# Altium PCB PCB.PcbDoc
Units mil, origin at the board's own origin, x right, y up, seen from the top; angles counter-clockwise.
Board outline 2180 x 1105 mil, 2 copper layers (Top Layer, Bottom Layer); 48 components, 38 nets, 190 pads, 68 vias.
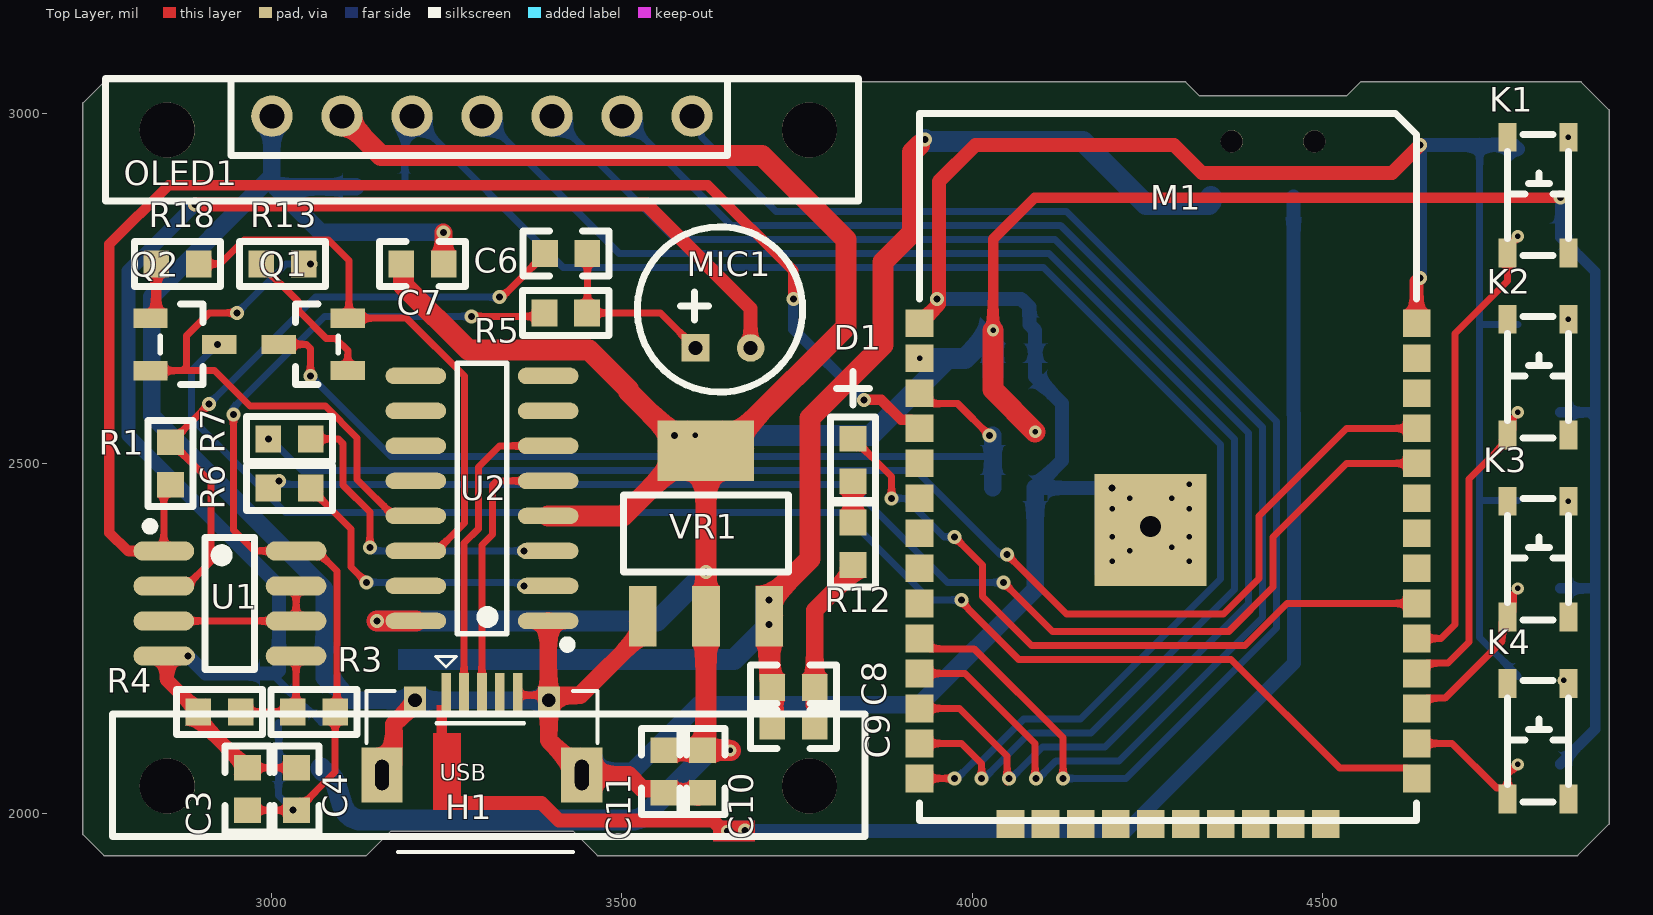
[diagram p0: Top Layer view]
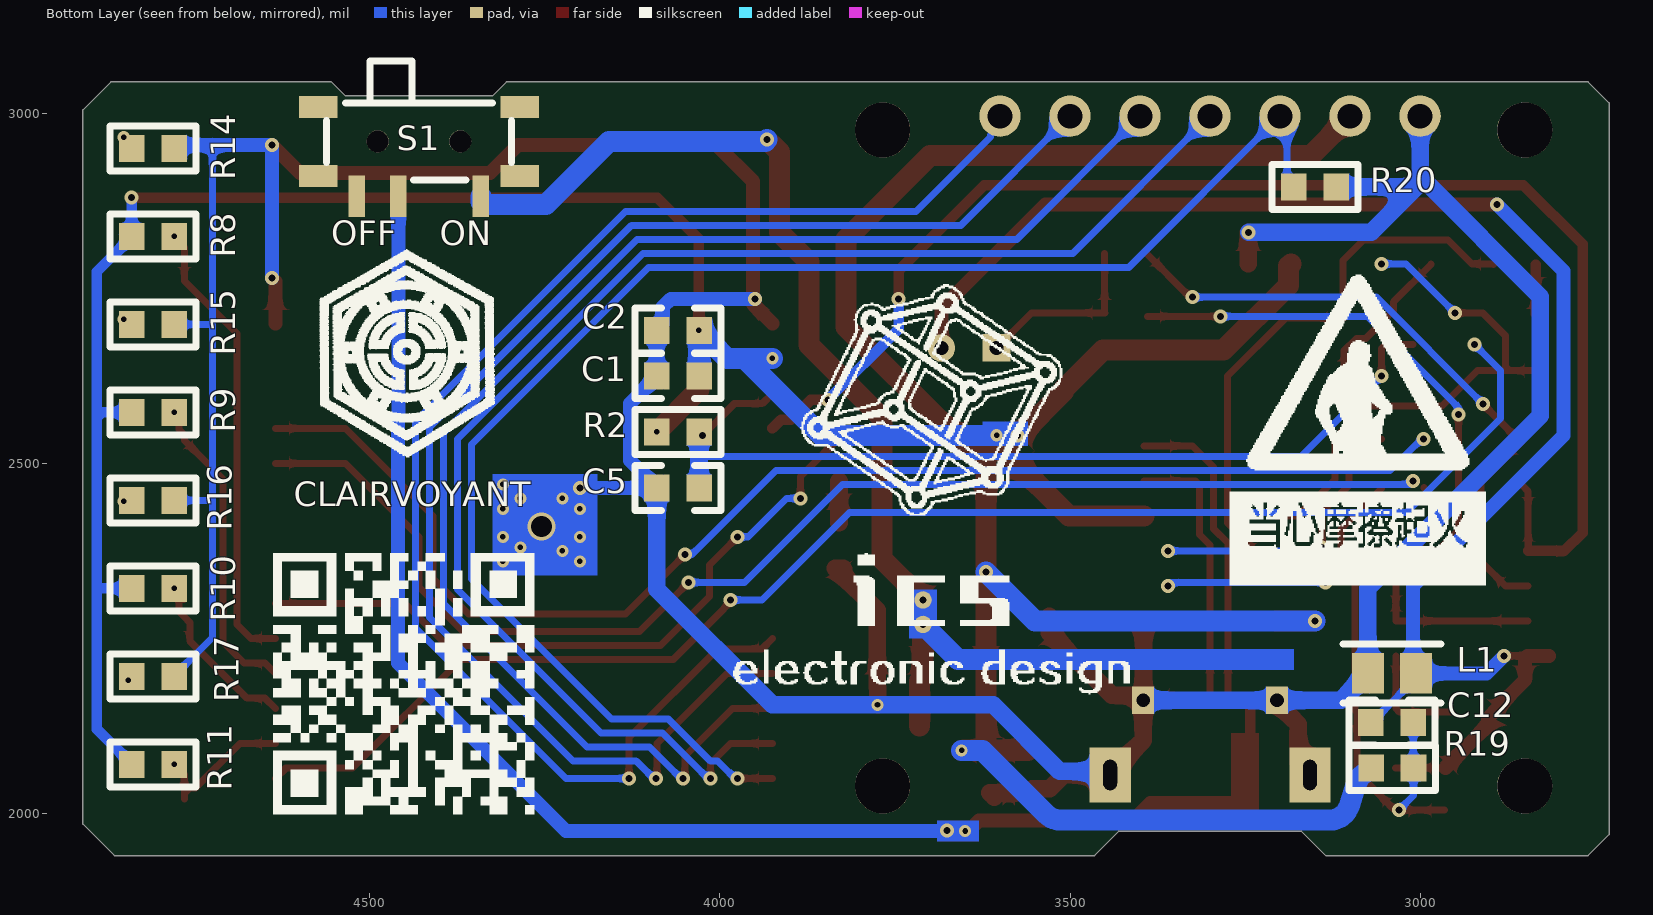
[diagram p1: Bottom Layer view, seen from below]
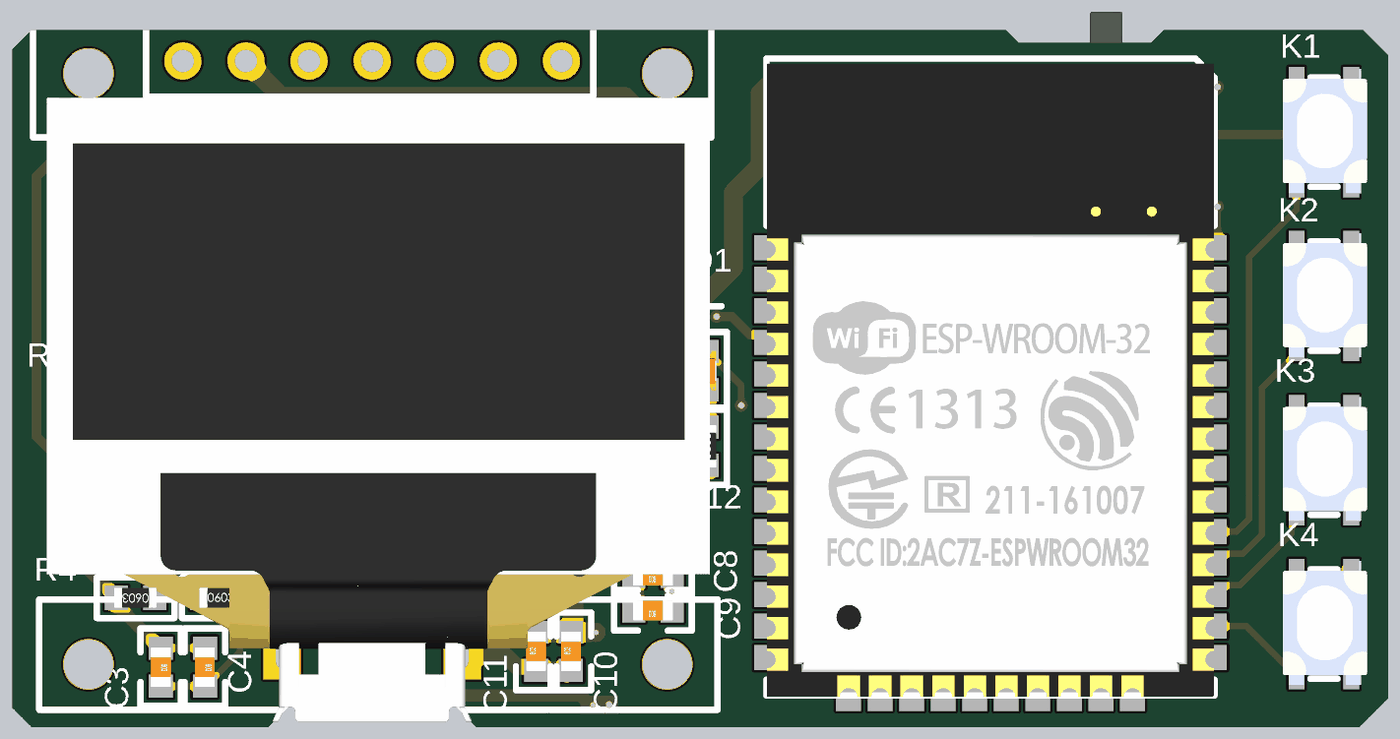
[diagram p2: 3D render of the assembled board from above, using the file's embedded part models]
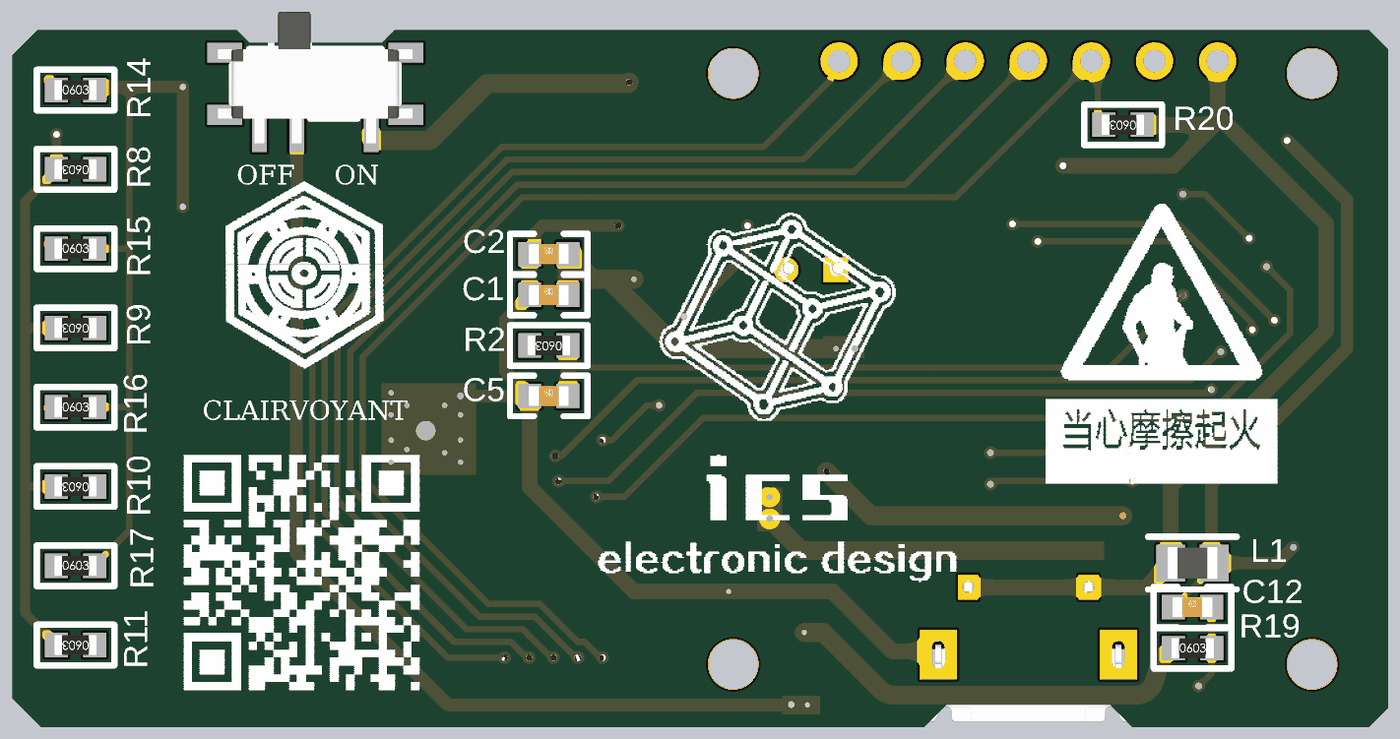
[diagram p3: 3D render of the assembled board from below, using the file's embedded part models]

## Layer stack, top to bottom
Top Solder: solder mask 0.4, Solder Resist, Dk 3.5
Top Layer: signal copper 1.4
Dielectric 1: dielectric 12.6, FR-4, Dk 4.8
Bottom Layer: signal copper 1.4
Bottom Solder: solder mask 0.4, Solder Resist, Dk 3.5

## Board outline
2760,1940 3135,1940 3170,1975 3430,1975 3465,1940 4865,1940 4910,1985 4910,3005 4870,3045 4555,3045 4535,3025 4325,3025 4305,3045 2760,3045 2730,3015 2730,1970

## Design rules (kind name [scope] priority, off if disabled: settings)
Clearance [All] p1: gap=10 ignorepadtopadclearanceinfootprint=FALSE except(0: Arc-Hole Track-Hole SMDPad-Hole THPad-Hole Via-Hole Fill-Hole Poly-Hole Region-Hole Text-Hole)
ComponentClearance [All] p1 off: gap=10 collisioncheckmode=3 verticalgap=10 showdistances=FALSE
PolygonConnect [All] p1: connectstyle=Relief reliefconductorwidth=10 reliefentries=4 polygonreliefangle="90 Angle" airgapwidth=10
RoutingVias [All] p1: holewidth=10 width=20 viastyle="Through Hole" minholewidth=10 minwidth=20 maxholewidth=28 maxwidth=50
SolderMaskExpansion [All] p1: expansion=4 istentingtop=FALSE
Width [All] p1: maxlimit=50 minlimit=5 preferedwidth=10 minimp=50.000000 maximp=50.000000 favimp=50.000000
29 further rules are at their usual default settings.

## Components (designator, comment, footprint, x,y, rotation, side; value= is the part's Value field where it differs from the comment)
C1 "1uF" LC-0603_C 4060,2625 r180 bottom locked
C2 "100nF" LC-0603_C 4060,2690 r180 bottom locked
C3 "105" LC-0603_C 2965,2035 r270 top locked
C4 "103" LC-0603_C 3035,2035 r270 top locked
C5 "1uF" LC-0603_C 4060,2465 r180 bottom locked
C6 "106" LC-0603_C 3420.32,2800 r180 top locked
C7 "100nF" LC-0603_C 3215,2785 r180 top locked
C8 "1uF" LC-0603_C 3745,2180 r180 top locked
C9 "100nF" LC-0603_C 3745,2125 r180 top locked
C10 "100nF" LC-0603_C 3615,2060 r90 top locked
C11 "1uF" LC-0603_C 3560,2060 r90 top locked
C12 "100nF" LC-0603_C 3040,2130 r180 bottom locked
D1 "绿灯 0603" LC-0603_LED 3830,2505 r90 top locked
H1 "micro_usb" USB-micro_A 3300,2055 r0 top locked
K1 "KEY" "TSW SMD-3*4*2.5" 4810,2885 r90 top locked
K2 "KEY" "TSW SMD-3*4*2.5" 4810,2625 r90 top locked
K3 "KEY" "TSW SMD-3*4*2.5" 4810,2365 r90 top locked
K4 "KEY" "TSW SMD-3*4*2.5" 4810,2105 r90 top locked
L1 "0R" LC-0805_L 3040,2200 r180 bottom locked
M1 "ESP32-S Module" ESP32-WROOM 4280,2500 r0 top locked
MIC1 "MIC" MIC-6022 3605,2665 r0 top locked
OLED1 "OLED-7PIN" 2.54mm1*7PIN 3000,3000 r0 top locked
Q1 "SS8050 Y1" sot-23-3 3065,2670 r0 top
Q2 "SS8050 Y1" sot-23-3 2870,2670 r180 top
R1 "300KΩ" LC-0603_R 2855,2500 r270 top locked
R2 "10KΩ" LC-0603_R 4060,2545 r0 bottom locked
R3 "20KΩ" LC-0603_R 3060,2145 r0 top locked
R4 "20KΩ" LC-0603_R 2925,2145 r180 top locked
R5 "4.7KΩ" LC-0603_R 3419.69,2715 r180 top locked
R6 "470Ω" LC-0603_R 3025,2465 r0 top locked
R7 "470Ω" LC-0603_R 3025,2535 r0 top locked
R8 "10KΩ" LC-0603_R 4810,2824.29 r0 bottom locked
R9 "10KΩ" LC-0603_R 4810,2572.86 r0 bottom locked
R10 "10KΩ" LC-0603_R 4810,2321.43 r0 bottom locked
R11 "10KΩ" LC-0603_R 4810,2070 r0 bottom locked
R12 "470Ω" LC-0603_R 3830,2385.31 r90 top locked
R13 "10KΩ" LC-0603_R 3015,2785 r180 top locked
R14 "470Ω" LC-0603_R 4810,2950 r180 bottom locked
R15 "470Ω" LC-0603_R 4810,2698.57 r180 bottom locked
R16 "470Ω" LC-0603_R 4810,2447.14 r180 bottom locked
R17 "470Ω" LC-0603_R 4810,2195.71 r180 bottom locked
R18 "10KΩ" LC-0603_R 2865,2785 r180 top locked
R19 "4.7Ω" LC-0603_R 3039.69,2065 r180 bottom locked
R20 "4.7KΩ (4701) ±1%" LC-0603_R 3150,2895 r0 bottom
S1 "SWHITCH" MSK-12C01-07 4430,2960 r0 bottom locked
U1 "AD8052" LC-SOP-8_150mil 2940,2300 r270 top locked
U2 "CH340C" LC-SOP-16_150mil 3300,2450 r90 top locked
VR1 "AMS1117-3.3" LC-SOT-223 3620,2400 r270 top locked

## Footprints (in the part's own frame and the unit in brackets; to place one, negate y for a bottom-side part, rotate by r counter-clockwise, add the part's x,y. Pads: shape width x height; smd on the part's side, far side on the other; paste and mask are expansions set on the pad)
2.54mm1*7PIN [mm]
  round 2 hole 2: 0(-3.8,-24.4) 0(-3.8,-0.6) 0(19.5,-24.4) 0(19.5,-0.6)
  round 1.5 hole 0.9: 1(0,-0.1) 2(2.54,-0.1) 3(5.08,-0.1) 4(7.62,-0.1) 5(10.16,-0.1) 6(12.7,-0.1) 7(15.24,-0.1)
  silkscreen extent -6.03,-26.23 21.52,1.27, body extent -5.48,-23.79 21.22,-1.58, height 3.92
ESP32-WROOM [mm]
  rect 1x1 smd: 1(-9.017,5.08) 2(-9.017,3.81) 3(-9.017,2.54) 4(-9.017,1.27) 5(-9.017,0) 6(-9.017,-1.27) 7(-9.017,-2.54) 8(-9.017,-3.81) 9(-9.017,-5.08) 10(-9.017,-6.35) 11(-9.017,-7.62) 12(-9.017,-8.89) 13(-9.017,-10.16) 14(-9.017,-11.43) 15(-5.715,-13.081) 16(-4.445,-13.081) 17(-3.175,-13.081) 18(-1.905,-13.081) 19(-0.635,-13.081) 20(0.635,-13.081) 21(1.905,-13.081) 22(3.175,-13.081) 23(4.445,-13.081) 24(5.715,-13.081) 25(9.017,-11.43) 26(9.017,-10.16) 27(9.017,-8.89) 28(9.017,-7.62) 29(9.017,-6.35) 30(9.017,-5.08) 31(9.017,-3.81) 32(9.017,-2.54) 33(9.017,-1.27) 34(9.017,0) 35(9.017,1.27) 36(9.017,2.54) 37(9.017,3.81) 38(9.017,5.08)
  rect 4.064x4.064 smd: 1(-0.635,-2.413)
  silkscreen extent -9.02,-12.95 9.02,12.7, body extent -9,-13 9,12.5, height 2.91
LC-0603_C [mm]
  rect 0.93x0.98 smd: 1(-0.77,0) 2(0.77,0)
  silkscreen extent -1.56,-0.82 1.56,0.82, body extent -0.8,-0.4 0.8,0.4, height 0.3
LC-0603_LED [mm]
  rect 0.93x0.98 smd: A(0.77,0) K(-0.77,0)
  silkscreen extent -1.56,-0.82 3.2,0.82, body extent -0.8,-0.4 0.8,0.4, height 0.6
LC-0603_R [mm]
  rect 0.93x0.98 smd: 1(-0.77,0) 2(0.77,0)
  silkscreen extent -1.56,-0.82 1.56,0.82, body extent -0.85,-0.4 0.85,0.4, height 0.56
LC-0805_L [mm]
  rect 1.16x1.47 smd: 1(-0.875,0) 2(0.875,0)
  silkscreen extent -1.78,-1.06 1.78,1.06, body extent -1,-0.64 1,0.64, height 0.6
LC-SOP-8_150mil [mm]
  oval 0.7x2.2 smd: 1(-1.905,-2.4) 2(-0.635,-2.4) 3(0.635,-2.4) 4(1.905,-2.4) 5(1.905,2.4) 6(0.635,2.4) 7(-0.635,2.4) 8(-1.905,2.4)
  silkscreen extent -2.95,-3.05 2.4,0.9, body extent -2.5,-3.1 2.5,3.1, height 1.75
LC-SOP-16_150mil [mm]
  oval 0.6x2.2 smd: 1(-4.445,-2.4) 2(-3.175,-2.4) 3(-1.905,-2.4) 4(-0.635,-2.4) 5(0.635,-2.4) 6(1.905,-2.4) 7(3.175,-2.4) 8(4.445,-2.4) 9(4.445,2.4) 10(3.175,2.4) 11(1.905,2.4) 12(0.635,2.4) 13(-0.635,2.4) 14(-1.905,2.4) 15(-3.175,2.4) 16(-4.445,2.4)
  silkscreen extent -5.45,-3.25 4.9,0.9, body extent -5,-3.13 5,3.13, height 1.5
LC-SOT-223 [mm]
  rect 2.2x1 smd: 1(3,-2.3) 2(3,0) 3(3,2.3)
  rect 2.2x3.5 smd: 2(-3,0)
  silkscreen extent -1.4,-3 1.4,3, body extent -3.49,-3.24 3.49,3.24, height 1.64
MIC-6022 [mm]
  rect 1x1 hole 0.5: 1(0,0)
  round 1 hole 0.5: 2(2,0)
  silkscreen extent -2.11,-1.6 3.89,4.4, body extent -2.11,-1.73 3.89,4.27, height 2.6
MSK-12C01-07 [mm] "6.7*2.8*1.5mm(锟斤拷锟斤拷撸锟絴SOURCECOMPLIBIDENTIFIERKIND=2"
  rect 1.4x0.8 smd: 0(-3.65,-1.25) 0(-3.65,1.25) 0(3.65,-1.25) 0(3.65,1.25)
  rect 0.6x1.5 smd: 1(-2.25,1.996) 2(0.75,1.996) 3(2.25,1.996)
  round 0.8 hole 0.8: " "(-1.5,0) " "(1.5,0)
  silkscreen extent -3.35,-2.92 3.35,1.4, body extent -3.92,-2.9 3.92,2.4, height 1.5
sot-23-3 [mm]
  rect 1.25x0.7 smd: 1(1.103,-0.949) 2(1.103,0.951) 3(-1.397,0.001)
  silkscreen extent -0.8,-1.46 0.75,1.46, body extent -1.5,-1.5 1.5,1.5, height 1
"TSW SMD-3*4*2.5" [mm]
  rect 1.05x0.65 smd: 1(-2.143,1.14) 2(2.057,1.14) 3(-2.143,-1.06) 4(2.057,-1.06)
  silkscreen extent -2.24,-1.06 2.16,1.14, body extent -2.5,-1.7 2.5,1.7, height 2.4
USB-micro_A [mm] "micro锟斤拷USB 锟斤拷5.7*7.8*2.5mm"
  rect 0.35x1.6 smd: 1(-1.3,2.9) 2(-0.65,2.9) 3(0,2.9) 4(0.65,2.9) 5(1.3,2.9)
  rect 1.5x2 hole 0.5 slot 1.1 at 90 deg: 5(-3.625,0) 5(3.625,0)
  rect 0.8x1 hole 0.5: 5(-2.425,2.71) 5(2.425,2.71)
  silkscreen extent -4.19,-2.79 4.19,4.3, body extent -4,-2.71 4,2.89, height 2.8

## Part data
C1 C3 C5 C8 C11: library part "0603 1uF (105) 10% 50V", "贴片电容", Package=0603, SuppliersPartNumber=C15849, ComponentLink1Description=供应商链接, ComponentLink1URL=http://www.szlcsc.com/product/details_16531.html, Supplier=LC
C2 C7 C9 C10 C12: library part "0603 100nF (104) 10% 50V", "贴片电容", Package=0603, SuppliersPartNumber=C14663, ComponentLink1Description=供应商链接, ComponentLink1URL=http://www.szlcsc.com/product/details_15331.html, Supplier=LC
C4: library part "0603 10nF (103) 10% 50V", "贴片电容", Package=0603, SuppliersPartNumber=C57112, ComponentLink1Description=供应商链接, ComponentLink1URL=http://www.szlcsc.com/product/details_58143.html, Supplier=LC
C6: library part "0603 10uF (106) 10% 10V", "贴片电容", Package=0603, SuppliersPartNumber=C19702, ComponentLink1Description=供应商链接, ComponentLink1URL=http://www.szlcsc.com/product/details_20411.html, Supplier=LC
D1: library part "0603 绿灯", "发光二极管", Package=0603, SuppliersPartNumber=C72043, ComponentLink1Description=供应商链接, ComponentLink1URL=http://www.szlcsc.com/product/details_73152.html, Supplier=LC
H1: library part MICRO_USB, "micro USB接口"
L1: library part INDUCTOR-SMD, "0805贴片磁珠,0R"
MIC1: "咪头 6x2.2mm"
OLED1: "OLED接口"
Q1 Q2: library part "SOT-23 SS8050 Y1", "三极管", Package=SOT-23, SuppliersPartNumber=C2150, ComponentLink1Description=供应商链接, ComponentLink1URL=http://www.szlcsc.com/product/details_2507.html, Supplier=LC
R1: library part "0603 300KΩ (3003) 1%", "贴片电阻", Package=0603, SuppliersPartNumber=C23024, ComponentLink1Description=供应商链接, ComponentLink1URL=http://www.szlcsc.com/product/details_23751.html, Supplier=LC
R2 R8 R9 R10 R11 R13 R18: library part "0603 10KΩ (1002) 1%", "贴片电阻", Package=0603, SuppliersPartNumber=C25804, ComponentLink1Description=供应商链接, ComponentLink1URL=http://www.szlcsc.com/product/details_26547.html, Supplier=LC
R3 R4: library part "0603 20KΩ (2002) 1%", "贴片电阻", Package=0603, SuppliersPartNumber=C4184, ComponentLink1Description=供应商链接, ComponentLink1URL=http://www.szlcsc.com/product/details_4591.html, Supplier=LC
R5 R20: library part "0603 4.7KΩ (4701) 1%", "贴片电阻", Package=0603, SuppliersPartNumber=C23162, ComponentLink1Description=供应商链接, ComponentLink1URL=http://www.szlcsc.com/product/details_23889.html, Supplier=LC
R6 R7 R12 R14 R15 R16 R17: library part "0603 470Ω (4700) 1%", "贴片电阻", Package=0603, SuppliersPartNumber=C23179, ComponentLink1Description=供应商链接, ComponentLink1URL=http://www.szlcsc.com/product/details_23906.html, Supplier=LC
R19: library part "0603 4.7Ω (4R70) 1%", "贴片电阻", Package=0603, SuppliersPartNumber=C23164, ComponentLink1Description=供应商链接, ComponentLink1URL=http://www.szlcsc.com/product/details_23891.html, Supplier=LC
U1: "运放"
U2: "USB转串口芯片"
VR1: library part "SOT-223 AMS1117-3.3", "低压差线性稳压(LDO)", Package=SOT-223, SuppliersPartNumber=C6186, ComponentLink1Description=供应商链接, ComponentLink1URL=http://www.szlcsc.com/product/details_6652.html, Supplier=LC

## Free pads (board coordinates)
  round 25 hole 10: 4(3710,2305) 5(3710,2270)

## Via types
v1: diameter 20, hole 10, Top Layer to Bottom Layer, tented both sides, 41 vias
v2: diameter 17.72, hole 7.87, Top Layer to Bottom Layer, tented both sides, 26 vias
v3: diameter 40, hole 30, Top Layer to Bottom Layer, 1 vias

## Nets (pads, with @x,y where several pads share a name; then routed paths per layer and width w, separated by ;. In a path a pad name is that pad's centre, name@x,y a point inside that pad or via, vN(x,y) a via of type N, cw(c..) or ccw(c..) an arc to the next point about the centre after c; other vN are vias at no path point)
3V3: C1.2 C2.2 C7.2 C10.2 C11.2 M1.2 OLED1.2 R2.2 R8.2 R9.2 R10.2 R11.2 R19.1 U2.4 U2.16 VR1.2 | length 6434.3
  Top Layer w15: v2(4030,2690) 4030,2820 4089.69,2879.69 v1(4840.31,2879.69)
  Top Layer w30: OLED1.2 3156.06,2940 3700,2940 3820,2820 3820,2695 3673.9,2548.9 3673.9,2546.42 3645.59,2518.11 VR1.2@3620,2518.11 ; v1(3150,2275) U2.16 ; C7.2 3187.99,2781.69 3187.99,2754.36 3280.54,2661.81 3453.19,2661.81 3509.65,2605.35 3509.65,2602.87 3573.76,2538.76 VR1.2@3594.41,2518.11 ; U2.4 3501.3,2425 VR1.2@3594.41,2518.11 ; C11.2 C10.2 3654.68,2090.32 v2(3655,2090) ; C10.2@3620,2106.64 3620,2281.89 v1(3620,2345) VR1.2@3620,2518.11 ; v2(4030,2690) 4030,2605.32 v2(4090.32,2545) ; VR1.2@3594.41,2518.11 VR1.2@3620,2518.11
  Bottom Layer w15: R11.2 4840.31,2070.98 4890,2120.67 4890,2320 ; R10.2 4888.57,2321.43 4890,2320 ; R9.2 4882.14,2572.86 4890,2565 ; v1(4840.31,2879.69) R8.2 4840.31,2823.3 4890,2773.62 4890,2565 ; 4890,2320 4890,2565
  Bottom Layer w30: R19.1 3070,2064.02 R19.1@3073.31,2060.71 ; R19.1@3073.35,2060.69 cw(c3062.59,2032.69) 3091.21,2041.68 3100.78,2011.5 ccw(c3129.36,2020.63) 3111.91,1996.22 3113.22,1995.29 ccw(c3127.76,2015.63) 3127.76,1990.63 3513.2,1990.63 ccw(c3513.2,2020.63) 3534.42,1999.42 3625,2090 v2(3655,2090) ; v1(3150,2275) 3550,2275 v1(3620,2345) ; v1(3575,2540) v2(3605,2540) 3855,2540 3965,2650 ; v2(3925,2650) 3965,2650 ; C1.2 C2.2 3989.68,2650 3965,2650
5V: C8.2 C9.2 pad.4 pad.5 S1.1 VR1.3 | length 1873
  Top Layer w30: C9.2 C8.2 3714.68,2189.45 3710.55,2193.58 3710.55,2270 VR1.3 3710.55,2305.51 3768.43,2363.39 3768.43,2565 3797.18,2593.75 3872.5,2669.07 3872.5,2787.5 3915,2830 3915,2945 3925,2955
  Bottom Layer w30: 3235,2220 3660,2220 3705,2265 pad.5 ; v1(3932.5,2962.5) 3935,2960 4158.42,2960 4233.74,2884.68 4248.38,2870.04 4338.23,2870.04 4341.42,2873.23 S1.1
ADC_IN1: M1.4 R1.2 U1.1 | length 1983.8
  Top Layer w10: U1.1 2845.51,2460.2 R1.2
  Top Layer w15: U1.1 2793.79,2375 2767.9,2400.88 2767.9,2812.9 2852.5,2897.5 3622.5,2897.5 3745,2775 v1(3745,2735) ; v1(3845.88,2590.88) 3870,2590.88 3898.7,2562.19 3912.81,2562.19 M1.4
  Bottom Layer w15: v1(3745,2735) 3745,2691.76 v1(3845.88,2590.88)
BOOT/GPIO0: M1.25 Q2.3 | length 2088.4
  Top Layer w10: v1(2922.28,2669.95) Q2.3 ; v1(3985,2305) 3985,2302.29 3995,2292.29 3995,2291.72 4066.72,2220 4370,2220 4524.69,2065.31 4614.46,2065.31 4615.09,2064.69 4620.31,2064.69 M1.25
  Bottom Layer w10: v1(2922.28,2669.95) 2885.18,2632.84 2885.18,2564.47 3019.64,2430 3815,2430 3940,2305 v1(3985,2305)
DTR: Q2.2 R13.1 U2.13 | length 806.4
  Top Layer w10: Q2.2 Q2.2@2837.42,2632.55 ; v1(2950,2715) 2910.44,2715 2878.32,2682.88 2878.32,2638.41 2872.46,2632.55 Q2.2@2837.42,2632.55 ; U2.13 3174.02,2425 3121.81,2477.2 3121.81,2536.47 3076.35,2581.94 2968.42,2581.94 2917.81,2632.55 2878.32,2632.55 Q2.2@2837.42,2632.55
  Bottom Layer w10: v1(2950,2715) 3020,2785 v1(3055,2785)
EN/RST: C5.2 M1.3 Q1.3 R2.1 | length 1310.9
  Top Layer w10: Q1.3 3049.14,2670.05 3055,2664.19 v1(3055,2625) ; M1.3 3939.69,2585.31 3979.69,2585.31 v1(4025,2540)
  Bottom Layer w10: v1(3055,2625) 3170,2510 4024.68,2510 4029.68,2505
  Bottom Layer w25: C5.2 4029.68,2505 R2.1@4029.68,2540
GND: C1.1 C2.1 C5.1 C7.1 C8.1 C9.1 C10.1 C11.1 H1.5 L1.1 M1.1 M1.38 OLED1.1 R12.1 R14.2 R15.2 R16.2 R17.2 R20.1 U2.1 VR1.1 | length 6521
  Top Layer w10: H1.5@3351.18,2169.17 3387.99,2169.17 H1.5@3395.47,2161.69 ; R12.1 R12.1@3835,2350
  Top Layer w20: M1.1@3925,2700 v1@3952.5,2727.5 ; v1(3950,2735) 3950,2730 v1@3952.5,2727.5 ; M1.38 4635,2760 v1(4640,2765) ; v1(4640.05,2955) 4600.05,2915 4328.75,2915 4288.75,2955 4005,2955 3952.5,2902.5 v1@3952.5,2727.5
  Top Layer w25: H1.5@3157.28,2055 3174.31,2072.03 3174.31,2127.54 3204.53,2157.76 H1.5@3204.53,2161.69 ; v1(3245,2830) 3245.32,2829.68 C7.1 ; U2.1 3394.98,2274.51 3394.98,2166.12 H1.5@3395.47,2165.63 ; VR1.1 3529.45,2258.27 3440.06,2168.88 3398.72,2168.88 H1.5@3395.47,2165.63 ; C10.1@3608.21,2022.89 3608.21,2023.88 3611.52,2027.18 3612.5,2027.18 C10.1 C11.1 3554.19,2035.49 3529.25,2035.49 3509.74,2055 3442.72,2055 3442.72,2064.84 3425.69,2081.87 3418.11,2081.87 3395.47,2104.51 3395.47,2161.69 H1.5@3395.47,2165.63 ; v2(3775,2155) 3775,2179.68 C8.1 3775.32,2290.32 3823.21,2338.21 3823.21,2349.19 3824.02,2350 R12.1@3835,2350
  Bottom Layer w10: 4725,2955 4725,2700 ; R14.2@4765.39,2935.71 4766.38,2935.71 4779.68,2949.02 R14.2 ; R17.2 4779.68,2196.7 4725,2251.38 4725,2450 ; R16.2 4727.86,2447.14 4725,2450 ; R15.2 4726.43,2698.57 4725,2700 ; 4725,2450 4725,2700
  Bottom Layer w20: v1(3950,2735) 4070.29,2735 4082.01,2723.28 4082.01,2698.31 C2.1 C1.1 4090.32,2624.02 4128.62,2585.71 4128.62,2504.29 4090.32,2465.98 C5.1 v1(4200,2465) ; v1(4640,2765) v1(4640,2765) v1(4640.05,2955) 4725,2955 4773.7,2955 R14.2@4779.68,2949.02
  Bottom Layer w25: OLED1.1 3000,2910 2995,2905 ; R20.1 3005,2895 ; H1.5@3157.28,2045.16 H1.5@3157.28,2055 ; v1(3245,2830) 3070,2830 3005,2895 ; H1.5@3395.47,2161.69 3204.53,2161.69 3112.76,2161.69 3090.89,2183.56 3084.78,2183.56 3074.45,2193.9 L1.1 3074.45,2321.66 2828.09,2568.02 2828.09,2738.09 2995,2905 ; H1.5@3442.72,2055 3447.72,2060 3515,2060 3610,2155 v2(3775,2155) 3925,2155 4090.32,2320.32 C5.1 ; 2995,2905 3005,2895
  other v2: 4200,2360 4310,2360 4225,2375 4285,2380 4200,2395 4310,2395 4200,2435 4310,2435 4225,2450 4285,2450 4310,2470
  other v3: 4255,2410
GNDA: C3.1 C4.1 C12.1 L1.2 MIC1.2 R4.2 U1.4 | length 2289
  Top Layer w10: U1.4@2846.51,2225 v1(2880,2225) ; C3.1@2964.02,2065.32 C3.1 C4.1
  Top Layer w20: U1.4@2815.98,2225 U1.4 2846.51,2225 2850,2221.51 2850,2190.67 2894.68,2145.98 R4.2 2902.99,2136.69 2902.99,2126.34 C3.1@2964.02,2065.32 ; v1(2890,2870) 3535,2870 3683.74,2721.26 MIC1.2
  Bottom Layer w10: L1.2 3005.55,2193.9 3055.16,2144.29 3057.01,2144.29 3070.32,2130.98 C12.1
  Bottom Layer w20: v1(2880,2225) 2905,2200 L1.2 3010,2204.45 3010,2325 2795,2540 2795,2775 v1(2890,2870)
KEY1: K1.1 M1.29 R8.1 | length 654.7
  Top Layer w10: M1.29 4670,2250 4690,2270 4690,2685.52 4765.13,2760.65 K1.1 4765.13,2808.49 4779.68,2823.04 v2(4779.68,2824.29)
KEY2: K2.1 M1.28 R9.1 | length 450.4
  Top Layer w10: M1.28 4649.69,2214.69 4679.69,2214.69 4710,2245 4710,2477.61 4765.13,2532.74 K2.1 4772.93,2548.42 4772.93,2564.01 4779.68,2570.77 v2(4779.68,2572.86)
KEY3: K3.1 M1.27 R10.1 | length 246.4
  Top Layer w10: M1.27 4649.69,2164.69 4675.4,2164.69 4757.34,2246.63 4757.34,2272.83 K3.1 4772.93,2288.42 4772.93,2312.58 4779.68,2319.34 v2(4779.68,2321.43)
KEY4: K4.1 M1.26 R11.1 | length 215.2
  Top Layer w10: M1.26 4685.75,2100 4749.46,2036.29 4757.34,2036.29 K4.1@4765.13,2028.5 ; K4.1 K4.1@4765.13,2028.5 ; v2(4779.68,2070) 4765.13,2055.44 K4.1@4765.13,2028.5
LED1: D1.A M1.30 | length 996.9
  Top Layer w10: D1.A 3830.98,2535.32 3885,2481.3 v1(3885,2450) ; v1(3975,2395) 4015,2355 4015,2310 4085,2240 4390,2240 4450,2300 M1.30
  Bottom Layer w10: v1(3885,2450) 3905,2450 3959.82,2395.18 3974.82,2395.18 v1(3975,2395)
NetC6_1: C6.1 MIC1.1 R5.1 | length 261
  Top Layer w10: C6.1 3450.63,2715.63 R5.1 3555,2715 3590.31,2679.69 MIC1.1
NetD1_K: D1.K R12.2 | length 59.1
  Top Layer w25: R12.2 D1.K
NetH1_1: H1.1 S1.2 | length 2028.5
  Top Layer w20: 3240,2015 3385,2015 3410,1990 3630,1990 3645,1975 3660,1975 ; v2(3650,1975) 3675,1975 v1(3675.62,1975.62)
  Bottom Layer w20: 3660,1975 4220,1975 4460,2215 4460,2570.36 4459.53,2570.83 S1.2
NetH1_2: H1.2 U2.6 | length 446.3
  Top Layer w10: H1.2 3274.41,2386.13 3295,2406.72 3295,2495 3325,2525 U2.6
NetH1_3: H1.3 U2.5 | length 388.1
  Top Layer w10: H1.3 3300,2383.43 3315,2398.43 3315,2469.14 3320.86,2475 U2.5
NetK1_4: K1.4 R14.1
  other v2: 4851.74,2965.98
NetK2_4: K2.4 R15.1
  other v2: 4851.74,2705.98
NetK3_4: K3.4 R16.1
  other v2: 4851.74,2445.98
NetK4_4: K4.4 R17.1
  other v2: 4845,2190
NetQ1_1: Q1.1 R13.2 | length 211.5
  Top Layer w10: R13.2 2984.68,2784.02 3037.79,2730.91 3037.79,2718.47 3077.59,2678.67 3091.01,2678.67 3108.41,2661.28 Q1.1
NetQ2_1: Q2.1 R18.2 | length 82.1
  Top Layer w10: R18.2@2834.68,2784.02 R18.2
  Top Layer w15: Q2.1 2828.4,2707.35 2834.68,2713.63 R18.2@2834.68,2784.02
NetR3_1: R3.1 R4.1 U1.5 | length 156.4
  Top Layer w10: R4.1 R3.1 3034.49,2149.8 U1.5
NetR6_2: R6.2 U2.2 | length 395.1
  Top Layer w10: R6.2 3055.32,2464.02 3112.8,2406.54 3112.8,2352.2 v1(3135,2330)
  Bottom Layer w10: v1(3135,2330) 3355,2330 v1(3360,2325)
NetR7_2: R7.2 U2.3 | length 435.4
  Top Layer w10: R7.2 3095,2535 3101.81,2528.19 3101.81,2468.92 3140,2430.73 v1(3140,2380)
  Bottom Layer w10: v1(3140,2380) 3142.71,2380 3147.71,2375 v1(3360,2375)
NetU1_3: U1.3 U1.6 U1.7 | length 239
  Top Layer w10: U1.3 U1.6 U1.7
OLED_CLK: M1.14 OLED1.3 R20.2 | length 2189.3
  Top Layer w10: M1.14 v1(3975,2050)
  Bottom Layer w10: R20.2@3190,2900.16 3190,2972.79 3200,2982.79 OLED1.3 3416.06,2780 4101.86,2780 4355,2526.86 4355,2335 4155,2135 4073.86,2135 4013.86,2075 4003.39,2075 3983.39,2055 3982.71,2055 3977.71,2050 v1(3975,2050)
OLED_CS: M1.10 OLED1.7 | length 2036.1
  Top Layer w10: M1.10 3939.69,2235.31 4002.97,2235.31 4130,2108.28 v1(4130,2050)
  Bottom Layer w10: OLED1.7 3600,2982.79 3613.45,2969.33 3613.45,2966.55 3720,2860 4135,2860 4435,2560 4435,2265 4220,2050 v1(4130,2050)
OLED_DC: M1.11 OLED1.6 | length 2046.2
  Top Layer w10: M1.11 3990,2200 4090,2100 v1@4090,2050
  Bottom Layer w10: OLED1.6 3656.06,2840 4126.72,2840 4415,2551.72 4415,2280 4210,2075 4119.64,2075 4099.64,2055 4098.96,2055 4093.96,2050 v1(4091.25,2050)
OLED_DIN: M1.13 OLED1.4 | length 2076.1
  Top Layer w10: M1.13 3985,2100 4013.75,2071.25 v1(4013.75,2050)
  Bottom Layer w10: OLED1.4 3496.06,2800 4110.15,2800 4375,2535.15 4375,2320 4170,2115 4082.14,2115 4022.14,2055 4021.46,2055 4016.46,2050 v1(4013.75,2050)
OLED_RES: M1.12 OLED1.5 | length 2062.1
  Top Layer w10: M1.12 3981.92,2150 4050,2081.92 v1@4050,2045
  Bottom Layer w10: OLED1.5 3576.06,2820 4118.43,2820 4395,2543.43 4395,2300 4190,2095 4100.89,2095 4060.89,2055 4060.21,2055 4055.21,2050 v1(4052.5,2050)
RTS: Q1.2 R18.1 U2.14 | length 821.9
  Top Layer w10: R18.1@2895.31,2784.02 R18.1 2925.87,2785 2960.16,2819.29 3080.63,2819.29 3109.92,2790 3109.92,2708.97 Q1.2 3192.47,2707.45 3275,2624.92 3275,2415 3235,2375 U2.14
RXD0: M1.34 R6.1 | length 1856.5
  Top Layer w10: R6.1 R6.1@2994.69,2465.98 ; v1(4044.64,2330) 4045,2330 4115,2260 4366.72,2260 4430,2323.28 4430,2395 4535,2500 M1.34
  Bottom Layer w10: v1(3010,2475) 3015,2470 3825,2470 3965,2330 v1(4044.64,2330)
SIGNAL: C6.2 R1.1 U1.2 | length 923.6
  Top Layer w10: U1.2 2877.99,2325 2912.99,2360 2912.99,2473.31 R1.1@2855.98,2530.31 ; R1.1 R1.1@2855.98,2530.31 ; v1(2910.18,2585) 2910.18,2584.51 R1.1@2855.98,2530.31 ; v1(3325.2,2737.5) 3327.9,2737.5 3330.7,2740.29 3331.28,2740.29 3390,2799.02 C6.2
  Bottom Layer w10: v1(2910.18,2585) 2910.18,2585.18 3062.5,2737.5 v1(3325.2,2737.5)
TXD0: M1.35 R7.1 | length 1905.7
  Top Layer w10: v1(4050,2370) 4135,2285 4359.42,2285 4410,2335.58 4410,2425 4535,2550 M1.35
  Bottom Layer w10: v1(2995,2535) 2997.71,2535 3042.71,2490 3920,2490 4040,2370 v1(4050,2370)
VDDA: C3.2 C4.2 C12.2 R3.2 R5.2 R19.2 U1.8 | length 1409.1
  Top Layer w10: v1(2945,2570) 2945,2405 2975,2375 U1.8 3064.02,2375 3092.8,2346.22 3092.8,2147.48 R3.2 3090.32,2059.02 C4.2@3035.98,2004.68 ; C3.2 C4.2@3030,2004.68 ; v1(3285,2710) R5.2@3389.37,2710
  Bottom Layer w10: v1(2945,2570) 2945,2580 3075,2710 v1(3285,2710) ; C12.2 3009.68,2065.32 R19.2 3009.37,2025.63 v1(3030,2005)
pads on no net: "S1. " H1.4 K1.2 K1.3 K2.2 K2.3 K3.2 K3.3 K4.2 K4.3 M1.5 M1.6 M1.7 M1.8 M1.9 M1.15 M1.16 M1.17 M1.18 M1.19 M1.20 M1.21 M1.22 M1.23 M1.24 M1.31 M1.32 M1.33 M1.36 M1.37 OLED1.0 S1.0 S1.3 U2.7 U2.8 U2.9 U2.10 U2.11 U2.12 U2.15

## Other copper
Top Layer:
  region net NetH1_1: 3270,2115 3230,2115 3230,2005 3270,2005
  region net NetH1_1: 3250,2155 3235,2155 3235,2100 3250,2100
  region net NetH1_1: 3690,1990 3630,1990 3630,1960 3690,1960
Bottom Layer:
  rectangle net NetH1_1: 3630,1960 3690,1990
  rectangle net 3V3: 3560,2525 3625,2560
  rectangle net GND: 4175,2340 4325,2485
  rectangle net 5V: 3690,2250 3730,2320
  rectangle net 5V: 3180,2205 3240,2235

## Silkscreen, mask and mechanical layers (free items; w line width, h text height)
Bottom Overlay:
  drawing of 7544 lines, arcs and shapes, not listed
  text "ON" at 4400,2800.55 h60
  text "OFF" at 4555,2800.55 h60
  text "CLAIRVOYANT" at 4609.1,2427.35 h60
Mechanical 13:
  lines w10: 2730,1970 2730,3015 2760,3045 4285,3045 4305,3045 4325,3025 4535,3025 4555,3045 4870,3045 4910,3005 4910,1985 4865,1940 3465,1940 3430,1975 3170,1975 3135,1940 2760,1940 2730,1970

## Text inside footprints (layer, text, board x,y; h text height)
H1: Top Overlay "USB" at 3240,2039.17 h40